# Altium PCB ATM1099C-0627-ssy-5.PcbDoc (part 2 of 4) (continued)
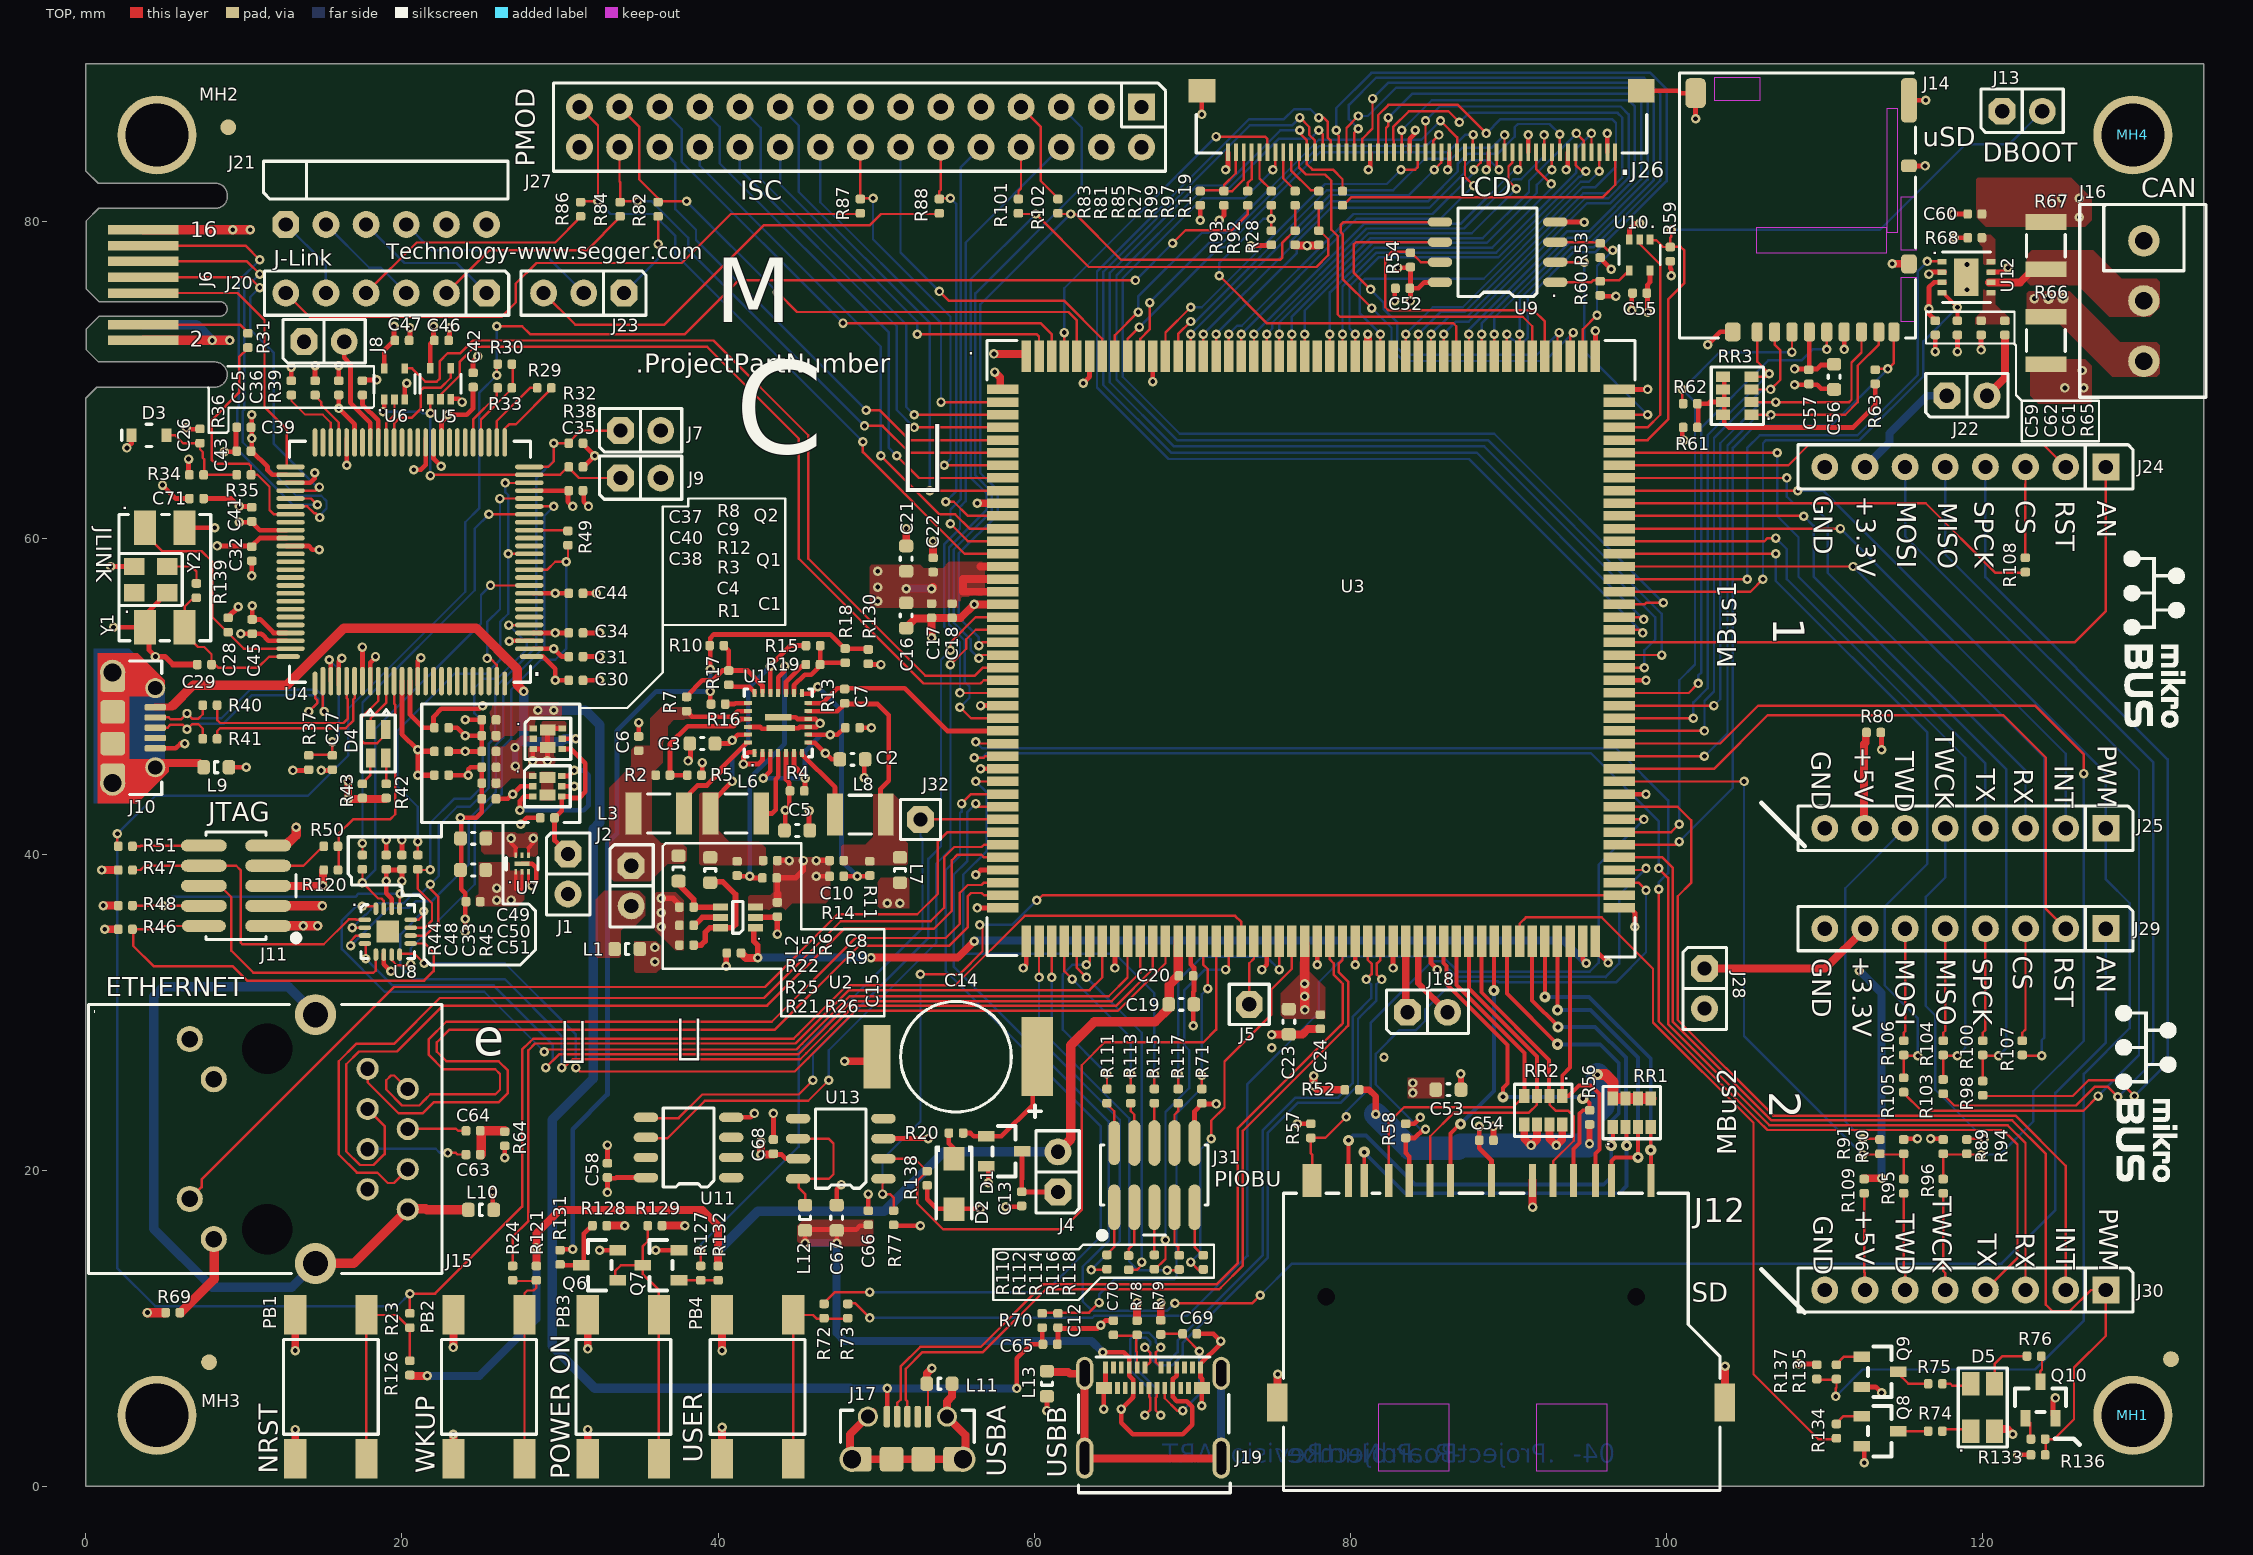
[diagram p0: TOP view]
## Nets (pads, with @x,y where several pads share a name; then routed paths per layer and width w, separated by ;. In a path a pad name is that pad's centre, name@x,y a point inside that pad or via, vN(x,y) a via of type N, cw(c..) or ccw(c..) an arc to the next point about the centre after c; other vN are vias at no path point) (continued)
  TOP w0.152: D5.3@120.75,6.375 D5.3@120.75,6.5 120.75,7.75 121.25,8.25 R76.2@122.75,8.25
NetD5_4: D5.4 R75.2 | length 1.8
  TOP w0.152: R75.2@117.5,6.5 117.953,6.5 118.078,6.375 D5.4@119.25,6.375
NetJ2_2: J2.2 L1.1
NetJ5_1: J5.1 U3.61 | length 4.1
  TOP w0.152: J5.1@73.6,30.5 73.6,33.097 73.9,33.397 U3.61@73.9,34.5
NetJ8_2: J8.2 U4.43 | length 6.8
  TOP w0.3: J8.2@16.345,72.425 16.345,71.404 16.74,71.009 16.74,68.56 18,67.3 U4.43@18,66.3
NetJ11_7: J11.7 R50.2 | length 4
  TOP w0.152: J11.7@11.532,39.27 13.77,39.27 R50.2@15,40.5
NetJ11_10: J11.10 R51.1 | length 4.5
  TOP w0.152: R51.1@3,40.5 3.453,40.5 3.493,40.54 J11.10@7.465,40.54
NetJ15_12: J15.12 R69.2 | length 5.6
  TOP w0.6: R69.2@6,11 8.12,13.12 J15.12@8.12,15.675
NetJ16_2: J16.2 R67.2 U12.6 | length 3.9
  TOP w0.5: U12.6@120.4,76.175 122.373,76.175 123.048,76.85 R67.2@124,76.85
NetJ16_3: J16.3 R66.1 U12.7 | length 1.3
  TOP w0.3: U12.7@120.4,76.825 121.325,76.825 v1(121.6,77.1)
  other v1: 123.275,75.15
  other v2: 124.15,75.15 125.075,75.175
NetJ22_1: J22.1 J24.7 | length 7.4
  BOTTOM w0.5: J24.7@112.55,64.5 114.1,66.05 114.1,66.622 116.478,69 J22.1@117.73,69
NetJ25_7: J25.7 R80.1 | length 6.1
  TOP w0.5: J25.7@112.55,41.64 112.5,41.69 112.5,46.973 112.6,47.073 R80.1@112.6,47.7
NetJ26_1: J26.1 R119.2 | length 19.9
  TOP w0.152: R119.2@79.5,81 79.525,81.025 80.071,81.571 95.971,81.571 96.75,82.35 J26.1@96.75,84.4
NetJ26_47: J26.47 R85.2 | length 2.5
  TOP w0.152: R85.2@73.5,82 73.5,82.453 73.75,82.703 J26.47@73.752,84.4
NetJ26_48: J26.48 J26.49 R81.2 R83.2 | length 7.5
  TOP w0.152: R83.2@70.5,82 R81.2@72,82 ; J26.49@72.75,84.4 72.75,83.075 72.011,82.336 72,82.336 R81.2@72,81.95 72.525,81.95 73.25,82.675 J26.48@73.25,84.4
NetJ28_1: J28.1 J29.7 | length 11.2
  TOP w0.5: J28.1@102.4,32.77 110.03,32.77 J29.7@112.55,35.29
NetJ30_7: J30.7 R109.1 | length 6.1
  TOP w0.152: R109.1@112.5,18.5 112.5,13.558 112.55,13.508 J30.7@112.55,12.43
NetJ31_1: J31.1 R110.2 | length 3.2
  TOP w0.152: R110.2@64.6,14.7 65.06,15.16 J31.1@65.06,17.665
NetJ31_2: J31.2 R111.1 | length 2.7
  TOP w0.152: R111.1@64.6,24.2 65.06,23.74 J31.2@65.06,21.735
NetJ31_3: J31.3 R112.2 | length 3.2
  TOP w0.152: R112.2@65.972,14.607 65.972,15.025 66.33,15.383 J31.3@66.33,17.665
NetJ31_4: J31.4 R113.1 | length 2.6
  TOP w0.152: R113.1@66.1,24.2 66.1,23.747 66.33,23.517 J31.4@66.33,21.735
NetJ31_5: J31.5 R114.2 | length 3
  TOP w0.152: R114.2@67.6,14.65 J31.5@67.6,17.665
NetJ31_6: J31.6 R115.1 | length 2.5
  TOP w0.152: J31.6@67.6,21.735 R115.1@67.6,24.2
NetJ31_7: J31.7 R116.2 | length 3.2
  TOP w0.152: J31.7@68.87,17.665 68.87,15.383 69.1,15.153 69.1,14.704 R116.2@69.172,14.632
NetJ31_8: J31.8 R117.1 | length 2.6
  TOP w0.152: J31.8@68.87,21.735 68.87,23.517 69.1,23.747 R117.1@69.1,24.2
NetJ31_9: J31.9 R118.2 | length 3.3
  TOP w0.152: J31.9@70.14,17.665 70.14,15.16 R118.2@70.682,14.618
NetL3_1: L3.1 U1.26 | length 6.7
  TOP w0.3: L3.1@37.775,42.5 37.775,43.425 38.7,44.35 39.289,44.35 40.2,45.261 40.2,45.425 41.825,47.05 U1.26@41.95,47.05
NetL6_1: L6.1 U1.4 | length 4.7
  TOP w0.3: L6.1@42.725,42.575 43.425,42.575 43.65,42.8 43.65,44.751 43.8,44.901 U1.4@43.8,46.41 U1.4@43.8,46.45
NetL8_1: L8.1 U1.7 | length 4.8
  TOP w0.3: U1.7@45.3,46.45 45.3,46.325 47.4,44.225 L8.1@47.4,42.5
NetL12_2: L12.2 U13.6 U13.8 | length 7.9
  TOP w0.152: L12.2@45.5,17.75 L12.2@45.5,17.8 45.5,18.5 45.093,18.907 45.093,19.468 47.015,19.468 47.3,19.752 47.3,21.701 46.994,22.008 U13.6@45.69,22.008
NetPB1_1: PB1.1 PB1.2 R23.2 R126.2 | length 14.2
  TOP w0.152: PB1.2@17.75,1.75 PB1.1@17.75,10.85 19.65,10.85 20.5,10 R126.2@20.5,8
NetPB2_1: PB2.1 PB2.2 R24.2 R121.2 | length 13.6
  TOP w0.152: R24.2@27,13 R121.2@28.5,13 ; PB2.2@27.75,1.45 PB2.1@27.75,10.85 27.75,12.225 27.925,12.4 28.325,12.4 28.5,12.575 R121.2@28.5,13 ; R121.2@28.5,13.05 R121.2@28.5,13
NetPB3_3: PB3.3 PB3.4 Q6.1 Q7.3 R129.2 | length 17.5
  TOP w0.152: Q6.1@33.5,13.05 33.5,13.653 33.847,14 Q7.3@35,14 ; R129.2@35.55,16.5 35.55,15.513 35.225,15.187 Q7.3@35.225,14 35.225,13.45 36.25,12.425 PB3.3@36.25,1.8
NetPB4_1: PB4.1 PB4.2 R72.2 R73.2 | length 12.7
  TOP w0.152: PB4.2@44.75,1.75 PB4.1@44.75,10.85 45.997,10.85 46.247,10.6 R73.2@48.2,10.6
NetQ1_2: Q1.2 Q1.5 Q2.3 Q2.6 Q2.7 Q2.8 R1.1 | length 7.9
  TOP w0.3: R1.1@26,43.5 26.7,43.5 v1(27,43.8) 27.5,44.3 Q1.2@28.275,44.3 ; v1(28.275,45.9) 28.275,46.65 29.2,46.65 v1(29.2,45.9) ; Q2.8@29.2,46.75 29.2,47.85 29.3,47.95 Q2.6@30.125,47.95 ; Q1.5@30.125,44.3 v1(30.898,44.3)
NetQ1_3: Q1.3 Q1.6 | length 9.8
  TOP w0.3: v1(27.461,42.788) 27.461,43.365 27.747,43.65 Q1.3@28.275,43.65 ; Q1.6@30.125,44.95 30.548,44.95 v1(30.898,45.3)
  BOTTOM w0.3: v1(27.461,42.788) 31.5,42.788 31.8,43.088 31.8,45 31.5,45.3 v1(30.898,45.3)
NetQ1_7: Q1.7 Q1.8
NetQ6_3: Q6.3 R128.1 R131.1 | length 4.2
  TOP w0.3: R131.1@30,14 Q6.3@31.35,14 31.5,14 31.5,16 R128.1@32,16.5
NetQ7_1: Q7.1 R127.2 R132.2 | length 2.9
  TOP w0.152: Q7.1@37.15,13.05 38.5,13.05 R132.2@40,13.05 ; R132.2@39.975,13.025 R132.2@40,13
NetQ8_1: Q8.1 R134.2 | length 1.9
  TOP w0.152: R134.2@110.75,4 111.2,4.45 Q8.1@112.35,4.45 Q8.1@112.5,4.45
NetQ8_3: Q8.3 R74.1 | length 2
  TOP w0.152: Q8.3@114.5,3.5 Q8.3@114.65,3.5 R74.1@116.5,3.5
NetQ9_1: Q9.1 R135.2 | length 1.9
  TOP w0.152: R135.2@110.75,7.75 111.2,8.2 Q9.1@112.35,8.2 Q9.1@112.5,8.2
NetQ9_3: Q9.3 R75.1 | length 2.3
  TOP w0.152: Q9.3@114.5,7.25 114.55,7.25 115.3,6.5 R75.1@116.5,6.5
NetQ10_1: Q10.1 R136.2 | length 1.7
  TOP w0.152: Q10.1@122.55,4.5 123,4.05 R136.2@123,3
NetQ10_3: Q10.3 R76.1 | length 1.9
  TOP w0.152: Q10.3@123.5,6.5 123.575,6.5 123.65,6.575 123.65,7.303 123.75,7.403 R76.1@123.75,8.25
NetR2_2: R2.2 R5.1 U1.23 | length 9.8
  TOP w0.3: R5.1@38,45 R2.2@36.95,45 ; R5.1@38.05,45 R2.2@36.95,45 ; U1.23@41.95,48.55 41.423,48.55 40.973,48.1 38.072,48.1 36.95,46.978 R2.2@36.95,45
NetR6_2: R6.2 R9.1 U1.17 | length 17.7
  TOP w0.3: R6.2@41.2,38.6 v1(42,38.6) 42.1,38.5 R9.1@42.75,38.5 ; U1.17@43.8,50.15 U1.17@43.8,50.21 43.8,51.2 44.2,51.6 v1(44.2,51.9)
  BOTTOM w0.3: v1(42,38.6) 42,44.8 44.2,47 v1(44.2,51.9)
NetR7_2: R7.2 R10.2 R17.1 U1.19 | length 8.1
  TOP w0.126: U1.19@42.775,50.235 U1.19@42.8,50.21 ; 42.775,50.699 42.8,50.674
  TOP w0.3: R7.2@38,50 39,51 39.649,51 40.264,51.615 R17.1@40.673,51.615 ; R10.2@40.361,53.197 40.673,52.885 R17.1@40.673,51.615 ; 42.775,50.699 41.859,51.615 R17.1@40.673,51.615 ; U1.19@42.8,50.21 42.8,50.674
NetR10_1: R10.1 R16.1 R18.2 R130.1 R131.2 | length 56.3
  TOP w0.3: R131.2@30,15 v1(30.8,15) ; R16.1@39.5,49.5 v1(39.5,50.3) ; v1(39.5,51.7) 39.5,53.675 39.725,53.9 47.1,53.9 48,53 R130.1@49.5,53
  BOTTOM w0.3: v1(30.8,15) 30.8,22.6 33,24.8 33,40.7 33.6,41.3 33.6,47.8 36.1,50.3 v1(39.5,50.3) v1(39.5,51.7)
NetR11_2: R11.2 R14.1 U1.14 | length 15.8
  TOP w0.3: U1.14@45.3,50.15 45.85,50.15 v1(46.3,50.6) ; R14.1@48,38.6 v1(48.8,38.6) R11.2@49.6,38.6
  BOTTOM w0.3: v1(46.3,50.6) 47.8,49.1 47.8,39.6 v1(48.8,38.6)
NetR15_1: R15.1 R18.1 R19.1 U1.15 | length 5.6
  TOP w0.3: U1.15@44.8,50.15 44.8,50.677 45.473,51.35 45.89,51.35 46.45,51.911 R19.1@46.45,52 R19.1@46.457,52.007 ; R15.1@46.457,53.197 R19.1@46.457,52.007 ; R18.1@48.039,52.112 46.562,52.112 R19.1@46.457,52.007
NetR16_2: R16.2 U1.21 | length 1.5
  TOP w0.3: R16.2@40.5,49.5 41.027,49.5 41.077,49.55 U1.21@41.95,49.55
NetR17_2: R17.2 U1.20 | length 1.9
  TOP w0.3: R17.2@40.673,50.715 40.835,50.715 40.954,50.596 41.979,50.596 42.3,50.275 U1.20@42.3,50.15
NetR19_2: R19.2 U1.16 | length 2.4
  TOP w0.3: U1.16@44.3,50.15 44.3,50.9 45.4,52 R19.2@45.5,52
NetR25_1: R25.1 U2.5 | length 2
  TOP w0.35: R25.1@38.5,35.5 39,36 U2.5@40.25,36
NetR30_1: R30.1 R33.2 U4.29 | length 5.5
  TOP w0.152: U4.29@25,66.3 25,67.5 26.975,69.475 27,69.5 R30.1@27,71
NetR31_2: R31.2 R35.2 U4.57 | length 15.3
  TOP w0.152: R31.2@10.25,72 9.7,71.45 9.7,69.2 7.979,67.479 7.979,65.655 7.971,65.648 7.971,64.929 8.2,64.7 10.3,64.7 10.45,64.55 R35.2@10.45,64 10.863,64 11.618,63.245 11.618,61.782 11.9,61.5 U4.57@12.7,61.5
NetR36_2: R36.2 U4.48 | length 4.4
  TOP w0.126: R36.2@13,69.05 13,68.678 13.876,67.802 14.998,67.802 15.5,67.3
  TOP w0.152: U4.48@15.5,66.3 15.5,67.3
NetR39_2: R39.2 U4.42 | length 3.1
  TOP w0.3: R39.2@17.5,69 17.5,68.448 18.5,67.448 U4.42@18.5,66.3
NetR52_2: R52.2 R56.1 RR1.5 RR1.6 RR1.7 RR1.8 RR2.5 RR2.6 RR2.7 RR2.8 | length 33.5
  TOP w0.4: R52.2@80.55,25.1 81.175,25.1 81.6,24.675 v1(81.6,23.555) ; v1(95.125,21.675) 95.125,22.896 R56.1@95.131,22.902
  TOP w0.5: RR2.5@91,22.9 91,22 v1(91.425,21.575) 91.8,21.95 RR2.6@91.8,22.9 ; RR2.7@92.6,22.9 92.6,22 v1(93.025,21.575) 93.4,21.95 RR2.8@93.4,22.9
  TOP w0.7: v2(95.625,26.05) 96.125,26.05 96.6,25.575 RR1.8@96.6,24.55 RR1.7@97.4,24.55 RR1.6@98.2,24.55 RR1.5@99,24.55
  BOTTOM w1.5: v1(81.6,23.555) 83.755,21.4 86.8,21.4 86.975,21.575 v1(91.425,21.575) v1(93.025,21.575) 95.025,21.575 v1(95.125,21.675) 95.125,23.207 95.95,24.032 95.95,25.721 95.625,26.046 v2(95.625,26.05)
NetR61_1: R61.1 R62.1 R63.1 RR3.5 RR3.6 RR3.7 RR3.8 | length 17.7
  TOP w0.3: R62.1@101.95,68.5 102.65,68.5 102.75,68.6 RR3.7@103.575,68.6 ; R61.1@102,67 R62.1@102,68.5 ; RR3.8@103.575,67.8 RR3.8@103.65,67.8 ; RR3.5@103.65,70.2 RR3.8@103.65,67.8 ; R63.1@113.2,69.7 113.2,68.4 111.795,66.995 103.93,66.995 103.65,67.275 RR3.8@103.65,67.8
NetR68_1: R68.1 U12.8
NetR139_1: R139.1 Y2.3 | length 2.7
  TOP w0.152: Y2.3@5.15,58.2 6.675,58.2 7,57.875 7,57.135 R139.1@6.992,57.127
NPCS0: J29.3 R107.2 | length 7.1
  TOP w0.152: R107.2@122.5,28.25 122.5,28.703 122.71,28.913 J29.3@122.71,35.29
NPCS1: J24.3 R108.2 | length 5.7
  TOP w0.152: R108.2@122.7,58.8 122.7,63.412 122.71,63.422 J24.3@122.71,64.5
NRST: R23.1 R30.2 R51.2 R85.1 U3.60 | length 218.8
  TOP w0.152: R51.2@2,40.5 v1(2,41.3) ; R23.1@20.5,11 v1(20.5,12.2) 22.1,12.2 27.603,17.703 27.603,27.634 28.069,28.1 28.072,28.1 28.301,28.329 44.777,28.329 45.069,28.621 45.069,28.624 48.149,31.705 55.005,31.705 59.4,36.1 72.703,36.1 73.1,35.703 U3.60@73.1,34.5 ; v1(26,70.3) R30.2@26,71 ; v1(26,73.4) 27.6,73.4 28.1,72.9 37.9,72.9 41.3,76.3 v1(66.4,76.3) ; v1(68.75,78.65) 69.575,79.475 72.5,79.475 73.5,80.475 R85.1@73.5,81.05
  BOTTOM w0.152: v1(20.5,12.2) 19.7,11.4 4.4,11.4 2,13.8 v1(2,41.3) 4.4,43.7 14.048,43.7 16.6,46.252 16.6,49.2 24,56.6 24,61 24.9,61.9 24.9,69.2 v1(26,70.3) v1(26,73.4) ; v1(66.4,76.3) v1(68.75,78.65)
NRST_3U: J6.4 R31.1 | length 6.8
  TOP w0.152: J6.4@3.625,73.5 9.75,73.5 R31.1@10.25,73
PA0: J12.5 U3.80 | length 16.5
  TOP w0.152: v2@86.95,22.95 v2(86.975,22.925) ; U3.80@89.1,33.551 89.324,33.775 89.324,34.276 U3.80@89.1,34.5
  TOP w0.25: J12.5@86.325,19.35 86.325,22.325 v2@86.95,22.95 ; v2(89.075,31.375) 89.075,33.526 U3.80@89.1,33.551
  BOTTOM w0.25: v2(86.975,22.925) 89.075,25.025 v2(89.075,31.375)
PA1: J12.2 R56.2 U3.76 | length 22.9
  TOP w0.25: U3.76@85.9,34.5 85.9,33.113 86.075,32.938 86.075,31.794 89.95,27.919 89.95,25.5 89.65,25.2 v2(89.65,24.65) ; J12.2@94.125,19.35 94.125,21.35 94.506,21.731 94.506,23.588 94.72,23.802 R56.2@95.131,23.802 95.131,24.25 94.831,24.55 v2(94.7,24.55)
  BOTTOM w0.25: v2(89.65,24.65) 94.6,24.65 v2(94.7,24.55)
PA2: J12.7 RR1.2 U3.83 | length 40.2
  TOP w0.25: J12.7@80.875,19.35 v2(80.875,21.15) ; U3.83@91.5,34.5 91.5,30.75 93.125,29.125 v2(93.125,29.075) ; RR1.2@97.4,22.75 97.475,22.675 v2(97.475,21.575)
  BOTTOM w0.25: v2(80.875,21.15) 80.875,21.125 83.45,18.55 97.025,18.55 97.475,19 v2(97.475,21.575) 97.425,21.625 97.425,27.125 95.475,29.075 v2(93.125,29.075)
PA3: J12.8 RR1.1 U3.81 | length 41.8
  TOP w0.25: J12.8@79.875,19.35 v2(79.875,21.9) ; U3.81@89.9,34.5 89.9,31.175 v2(93.1,27.975) ; v2(96.5,21.575) 96.6,21.475 RR1.1@96.6,22.75
  BOTTOM w0.25: v2(79.875,21.9) 80.175,22.2 81,22.2 84.1,19.1 96.025,19.1 96.5,19.575 v2(96.5,21.575) 96.5,23.133 96.975,23.608 96.975,26.8 95.8,27.975 v2(93.1,27.975)
PA4: J12.9 RR1.4 U3.84 | length 21
  TOP w0.25: v2(92.3,30.975) 92.3,31.075 U3.84@92.3,34.5 ; RR1.4@99,22.75 v2(99,21.275) 99.005,21.27 J12.9@99.005,19.35
  BOTTOM w0.25: v2(92.3,30.975) 95.1,30.975 99,27.075 v2(99,21.275)
PA5: J12.1 RR1.3 U3.85 | length 22
  TOP w0.25: v2(93.1,30.15) U3.85@93.1,34.5 ; J12.1@96.505,19.35 96.505,20.58 96.75,20.825 v2(98.2,20.825) RR1.3@98.2,22.75
  BOTTOM w0.25: v2(93.1,30.15) 95.2,30.15 98.2,27.15 v2(98.2,20.825)
PA6: J12.10 RR2.1 U3.86 | length 18.5
  TOP w0.25: U3.86@93.9,34.5 93.9,26.5 93.4,26 RR2.1@93.4,24.7 93.8,24.7 94.475,25.375 95.2,25.375 95.756,24.819 95.756,21.331 95.5,21.075 95.5,19.355 J12.10@95.505,19.35
PA7: J12.11 RR2.2 U3.79 | length 18.6
  TOP w0.152: RR2.2@92.6,24.7 92.6,24.15 92.975,23.775 93.775,23.775 94.125,23.425 94.125,21.875 92.825,20.575 J12.11@92.825,19.35
  TOP w0.25: U3.79@88.3,34.5 88.3,31.266 92.575,26.991 92.575,24.725 RR2.2@92.6,24.7
PA8: J12.12 RR2.3 U3.78 | length 22.5
  TOP w0.152: J12.12@85.025,19.35 85.05,19.375 85.05,22.156 86.544,23.65 91.3,23.65 91.8,24.15 RR2.3@91.8,24.7
  TOP w0.25: U3.78@87.5,34.5 87.5,31.5 91.8,27.2 RR2.3@91.8,24.7
PA9: J12.13 RR2.4 U3.77 | length 24.5
  TOP w0.152: J12.13@82.425,19.35 82.425,23.025 83.402,24.002 90.302,24.002 RR2.4@91,24.7
  TOP w0.25: U3.77@86.7,34.5 86.7,31.735 91,27.435 RR2.4@91,24.7
PA10: R134.1 U3.82 | length 46.3
  TOP w0.152: U3.82@90.7,34.5 90.7,35.6 91.1,36 95.9,36 99.144,32.756 99.144,29.363 105.5,23.007 105.5,7.1 109.6,3 R134.1@110.75,3
PA11: R26.2 U2.1 U3.87 | length 58.2
  TOP w0.3: U3.87@94.7,34.5 94.7,33.323 v1(94.923,33.1)
  TOP w0.35: U2.1@42.25,35.35 42.25,34.5 42.5,34.25 v1(42.5,33.453)
  TOP w0.5: R26.2@41.45,33.75 41.771,33.429 42.476,33.429 v1(42.5,33.453) ; v1(49.672,33.453) 55.153,33.453 v1(56.2,34.5)
  BOTTOM w0.5: v1(42.5,33.453) v1(49.672,33.453) ; v1(56.2,34.5) 56.25,34.55 93.473,34.55 v1(94.923,33.1)
PA12: J12.14 R57.2 U3.92 | length 38.7
  TOP w0.152: J12.14@77.575,19.35 77.575,21 77.5,21.075 R57.2@77.5,22.05 78.411,22.05 v1(79.738,23.377) ; U3.92@97,39 98.6,39 v1(98.7,39.1)
  BOTTOM w0.152: v1(79.738,23.377) 79.738,23.73 81.295,25.286 81.295,29.355 85.166,33.226 85.718,33.226 86.691,32.254 96.119,32.254 96.148,32.225 97,33.077 97,37.4 v1(98.7,39.1)
PA13: J12.6 R58.2 U3.91 | length 37.5
  TOP w0.152: U3.91@97.841,38.25 97.05,38.25 U3.91@97,38.2 98.225,38.2 v1(98.7,37.725)
  TOP w0.3: J12.6@83.725,19.35 83.725,20.875 83.5,21.1 R58.2@83.5,22.05 84.075,22.05 84.625,22.6 v1(84.75,22.6)
  BOTTOM w0.152: v1(84.75,22.6) 84.431,22.6 81.599,25.432 81.599,27.368 83.105,28.874 84.144,28.874 84.731,29.461 84.731,30.179 86.504,31.951 89.314,31.951 89.374,31.891 96.791,31.891 98.7,33.8 v1(98.7,37.725)
PA14: J26.37 U3.111 | length 71.1
  TOP w0.152: v1(78,86.6) 78.3,86.6 78.555,86.345 78.555,85.348 78.75,85.153 J26.37@78.75,84.4 ; U3.111@97,54.2 98.3,54.2 v1(98.5,54)
  BOTTOM w0.152: v1(78,86.6) 77.471,87.129 76.429,87.129 75.8,86.5 73.6,86.5 63.971,76.871 63.971,69.525 68.497,65 87.5,65 v1(98.5,54)
PA15: J26.38 U3.109 | length 70.6
  TOP w0.152: v1(77.999,85.799) 78.25,85.548 J26.38@78.25,84.4 ; U3.109@97,52.6 v1(99.7,52.6)
  BOTTOM w0.152: v1(77.999,85.799) 77.471,85.271 75.471,85.271 72.2,82 70.6,82 65.2,76.6 65.2,70.034 69.034,66.2 88.7,66.2 99.7,55.2 v1(99.7,52.6)
PA16: J26.39 U3.112 | length 68.2
  TOP w0.152: v1(76.8,86.6) 77.4,86 77.4,85.503 77.75,85.153 J26.39@77.75,84.4 ; U3.112@97,55 98.4,55 v1(98.55,54.85)
  BOTTOM w0.152: v1(76.8,86.6) 76.305,86.105 73.636,86.105 64.367,76.836 64.367,69.689 68.65,65.406 87.994,65.406 v1(98.55,54.85)
PA17: J26.40 R119.1 U3.108 | length 74.1
  TOP w0.152: v1(76.8,85.8) 76.8,85.6 77.25,85.15 77.25,83.647 77.592,83.305 78.895,83.305 79.5,82.7 R119.1@79.5,82 ; U3.108@97,51.8 v1(98.6,51.8)
  BOTTOM w0.152: v1(76.8,85.8) 75.569,85.8 72.074,82.305 70.305,82.305 64.776,76.776 64.776,69.859 68.834,65.8 88.471,65.8 99.284,54.984 99.284,53.584 98.6,52.9 v1(98.6,51.8)
PA18: J14.P7 RR3.2 U3.105 | length 38.3
  TOP w0.152: U3.105@97,49.4 v1(103,49.4) ; RR3.2@105.35,68.6 v1(106.9,68.6) 111.548,68.6 111.7,68.752 111.7,71.1 112.334,71.734 J14.P7@112.334,73.044
  BOTTOM w0.152: v1(103,49.4) 103.4,49.8 103.4,66 106,68.6 v1(106.9,68.6)
PA19: J14.P8 RR3.1 U3.101 | length 41.3
  TOP w0.152: U3.101@97,46.2 v1(102.4,46.2) ; RR3.1@105.35,67.8 RR3.1@105.375,67.8 v1(106.6,67.8) 111.3,67.8 112.1,68.6 112.1,70.906 113.434,72.24 J14.P8@113.434,73.044
  BOTTOM w0.152: v1(102.4,46.2) 103.856,47.656 103.856,65.856 105.8,67.8 v1(106.6,67.8)
PA20: J14.P1 RR3.4 U3.104 | length 32.7
  TOP w0.152: U3.104@97,48.6 v1(101.7,48.6) ; RR3.4@105.35,70.2 106.3,70.2 v1(106.5,70.4) 105.734,71.166 J14.P1@105.734,73.044
  BOTTOM w0.152: v1(101.7,48.6) 101.7,49.6 102.6,50.5 102.6,66.5 v1(106.5,70.4)
PA21: J14.P2 RR3.3 U3.103 | length 34.3
  TOP w0.152: U3.103@97,47.8 v1(102.4,47.8) ; RR3.3@105.35,69.4 RR3.3@105.375,69.4 v1(106.582,69.4) 107.2,70.018 107.2,71.874 106.834,72.24 J14.P2@106.834,73.044
  BOTTOM w0.152: v1(102.4,47.8) 102.4,49.7 103,50.3 103,66.322 106.078,69.4 v1(106.582,69.4)
PA22: J14.P5 U3.106 | length 32.6
  TOP w0.152: U3.106@97,50.2 101.4,50.2 v1(102,50.8) ; v1(110.134,71.934) J14.P5@110.134,73.044
  BOTTOM w0.152: v1(102,50.8) 102,51.303 102.2,51.503 102.2,67 106.437,71.237 108.537,71.237 109.234,71.934 v1(110.134,71.934)
PA23: R89.2 R94.1 R96.1 U3.102 | length 64.3
  TOP w0.152: U3.102@97,47 103.4,47 105.8,49.4 123.3,49.4 126.4,46.3 v1(126.4,45.1) ; R96.1@117.5,19.5 117.5,21 v1(119.9,21)
  BOTTOM w0.152: v1(119.9,21) 121.1,21 123.2,23.1 123.2,25 126.4,28.2 v1(126.4,45.1)
PA24: R90.2 R91.1 R95.1 U3.99 | length 38.7
  TOP w0.152: U3.99@97,44.6 v1(104.9,44.6) ; v1(112.4,21) 115,21 R95.1@115,19.5
  BOTTOM w0.152: v1(104.9,44.6) 104.9,28.5 v1(112.4,21)
PA25: J30.2 U3.97 | length 54.1
  TOP w0.152: U3.97@97,43 100.7,43 101.55,42.15 101.55,38.183 100.71,37.343 100.71,29.515 106.76,23.464 122.066,23.464 125.25,20.28 J30.2@125.25,12.43
PA26: J29.2 U3.100 | length 40.9
  TOP w0.152: U3.100@97,45.4 103,45.4 106.4,48.8 121.3,48.8 124,46.1 124,36.54 J29.2@125.25,35.29
PA27: R77.1 U3.90 U13.1 | length 65
  TOP w0.152: U13.1@50.46,19.466 50.46,19.237 50.4,19.177 v1(50.4,18.5) 50.875,18.5 51.1,18.275 R77.1@51.1,17.5 ; v1(52.8,32.4) 55.269,32.4 56.726,33.857 56.726,35.349 v1(56.55,35.525) ; v1(60.15,37.075) 60.15,37.025 60.525,37.4 U3.90@97,37.4
  BOTTOM w0.152: v1(50.4,18.5) 50.4,20.7 52.8,23.1 v1(52.8,32.4) ; v1(56.55,35.525) 58.6,35.525 v1(60.15,37.075)
PA28: J14.P3 R62.2 U3.95 | length 42.3
  TOP w0.152: U3.95@97,41.4 100.3,41.4 v1(100.8,41.9) ; R62.2@101,68.5 v1(101,69.4) ; v1(107.934,71.766) J14.P3@107.934,73.044
  BOTTOM w0.152: v1(100.8,41.9) 100.8,51 101.8,52 101.8,68.6 v1(101,69.4) 103.366,71.766 v1(107.934,71.766)
PA29: R73.1 U3.96 | length 77.4
  TOP w0.152: R73.1@48.2,11.6 48.662,11.6 v1(49.6,10.662) ; U3.96@97,42.2 v1(98.571,42.2)
  BOTTOM w0.152: v1(49.6,10.662) 63.662,10.662 63.8,10.8 69.692,10.8 73.5,14.608 73.472,14.636 73.472,25.442 73.5,25.47 78,29.97 78,31.9 79.629,33.529 80.519,33.529 ; 80.472,33.576 80.519,33.529 ; v1(98.571,42.2) 95.7,39.329 95.7,33.133 95.141,32.574 86.798,32.574 85.843,33.529 80.519,33.529
PA30: J14.G4 R63.2 U3.94 | length 45.4
  TOP w0.152: U3.94@97,40.6 100.6,40.6 v1(100.8,40.8) ; R63.2@113.2,70.7 v1(114,70.7) 114.384,71.084 J14.G4@114.384,73.044
  BOTTOM w0.152: v1(100.8,40.8) 104.2,44.2 104.2,65.7 105.6,67.1 110.4,67.1 v1(114,70.7)
PA31: J30.1 R133.1 R136.1 U3.93 | length 66.8
  TOP w0.152: U3.93@97,39.8 99.734,39.8 100.405,39.13 100.405,29.389 106.634,23.16 121.871,23.16 124,21.03 124,11.5 124.412,11.087 125.5,11.087 126.843,12.43 J30.1@127.79,12.43 127.79,9.538 125.775,7.523 125.775,4.25 124.525,3 124,3 R133.1@124,2
PB0: J25.2 U3.119 | length 38.9
  TOP w0.152: U3.119@97,60.6 v1(111,60.6)
  BOTTOM w0.152: v1(111,60.6) 125.25,46.35 J25.2@125.25,41.64
PB1: J25.1 R135.1 R137.1 U3.122 | length 94.6
  TOP w0.152: U3.122@97,63 v1(108.3,63) ; R137.1@109.5,6.75 110.75,6.75 110.75,6.253 110.7,6.203 v1(110.7,5.7)
  BOTTOM w0.152: v1(108.3,63) 109.9,63 127.79,45.11 J25.1@127.79,41.64 127.79,38.41 129.3,36.9 129.3,29 126.4,26.1 126.4,10.5 123.3,7.4 112.4,7.4 v1(110.7,5.7)
PB2: J24.2 U3.124 | length 29.4
  TOP w0.152: U3.124@97,64.6 107.7,64.6 109,65.9 123.85,65.9 J24.2@125.25,64.5
PB3: J25.3 U3.123 | length 39.6
  TOP w0.152: U3.123@97,63.8 v1(107.6,63.8)
  BOTTOM w0.152: v1(107.6,63.8) 107.6,62.624 108.024,62.2 109.1,62.2 110.2,61.1 110.2,57.8 122.71,45.29 J25.3@122.71,41.64
PB4: J25.4 U3.125 | length 39.2
  TOP w0.152: U3.125@97,65.4 v1(107,65.4)
  BOTTOM w0.152: v1(107,65.4) 107,61.4 108.35,60.05 108.35,57.55 120.17,45.73 J25.4@120.17,41.64
PB5: U3.134 U9.6 | length 25.9
  TOP w0.152: v1(81.274,75.726) 80.2,76.8 80.2,78.562 80.352,78.714 U9.6@85.79,78.714 ; U3.134@93.1,71.5 93.1,72.9 v1(93.2,73)
  BOTTOM w0.152: v1(81.274,75.726) 82.1,74.9 82.1,74.5 82.971,73.629 82.971,72.029 83.4,71.6 91.8,71.6 v1(93.2,73)
PB6: U3.127 U10.2 | length 14.5
  TOP w0.152: U3.127@97,67 98.8,67 99.6,67.8 99.6,77.302 98.3,78.602 U10.2@98.3,78.85
PB7: U3.133 U9.5 | length 29.8
  TOP w0.152: v1(81.35,74.55) 79.505,76.395 79.505,79.226 79.4,79.331 79.4,79.832 79.552,79.984 U9.5@85.79,79.984 ; U3.133@93.9,71.5 93.9,72.8 v1(94.1,73)
  BOTTOM w0.152: v1(81.35,74.55) 82.6,73.3 82.6,71.969 83.369,71.2 92.3,71.2 v1(94.1,73)
PB8: U3.128 U9.2 | length 15.6
  TOP w0.152: U9.2@92.29,77.444 93.19,77.444 v1(94.8,77.444) ; U3.128@97,67.8 v1(98.8,67.8)
  BOTTOM w0.152: v1(94.8,77.444) 94.8,71.8 v1(98.8,67.8)
PB9: R53.2 U3.132 U9.3 | length 12
  TOP w0.152: U9.3@92.29,78.714 93.19,78.714 95.333,78.714 95.347,78.7 95.8,78.7 95.825,78.675 96.3,78.2 v1(96.6,78.2) ; U3.132@94.7,71.5 94.7,73.2 v1(95.6,74.1)
  BOTTOM w0.152: v1(95.6,74.1) 95.6,77.2 v1(96.6,78.2)
PB10: R54.2 U3.135 U9.7 | length 19.8
  TOP w0.152: U9.7@85.79,77.444 85.664,77.444 84.456,77.444 83.8,78.1 82.6,78.1 82.2,77.7 82.2,74.6 82.4,74.4 91.6,74.4 92.3,73.7 U3.135@92.3,71.5
PB11: J26.3 U3.148 | length 24.4
  TOP w0.152: U3.148@81.9,71.5 v1(81.9,72.9) ; v1(95.75,83.2) J26.3@95.75,84.4
  BOTTOM w0.152: v1(81.9,72.9) 80.6,74.2 80.6,76.1 80.9,76.4 88.431,76.4 94.57,82.539 95.089,82.539 v1(95.75,83.2)
PB12: J26.4 U3.151 | length 26.3
  TOP w0.152: U3.151@79.5,71.5 v1(79.5,72.9) ; J26.4@95.25,84.4 v1(95.25,85.6)
  BOTTOM w0.152: v1(79.5,72.9) 79.5,75.913 81.648,78.062 89.23,78.062 94.3,83.131 94.3,84.65 v1(95.25,85.6)
PB13: J26.5 U3.155 | length 27.1
  TOP w0.152: U3.155@76.3,71.5 v1(76.3,72.9) ; v1(94.3,85.6) 94.75,85.15 J26.5@94.75,84.4
  BOTTOM w0.152: v1(76.3,72.9) 76.3,74.007 81.269,78.976 88.376,78.976 91.3,81.9 91.3,82.6 v1(94.3,85.6)
PB14: J26.6 U3.150 | length 24.2
  TOP w0.152: U3.150@80.3,71.5 v1(80.3,72.9) ; J26.6@94.252,84.4 94.25,83.6 94.65,83.2 v1(94.9,83.2)
  BOTTOM w0.152: v1(80.3,72.9) 79.944,73.256 79.944,75.926 81.774,77.757 89.357,77.757 94.444,82.844 94.544,82.844 v1(94.9,83.2)
PB15: J26.8 U3.162 | length 31.7
  TOP w0.152: U3.162@70.7,71.5 v1(70.7,72.9) ; J26.8@93.25,84.4 v1(93.25,85.548)
  BOTTOM w0.152: v1(70.7,72.9) 76.2,78.4 76.2,78.769 78.731,81.3 84.9,81.3 86.8,83.2 86.8,83.7 87.4,84.3 89.3,84.3 90.4,85.4 90.4,86 90.595,86.195 92.603,86.195 v1(93.25,85.548)
PB16: J26.9 U3.154 | length 23.6
  TOP w0.152: U3.154@77.1,71.5 v1(77.1,72.9) ; v1(92.75,83.3) J26.9@92.75,84.4
  BOTTOM w0.152: v1(77.1,72.9) 77.1,74.376 81.396,78.671 88.624,78.671 91.8,81.847 91.8,82.35 v1(92.75,83.3)
PB17: J26.10 U3.157 | length 26.3
  TOP w0.152: U3.157@74.7,71.5 v1(74.7,72.9) ; J26.10@92.25,84.4 v1(92.25,85.5)
  BOTTOM w0.152: v1(74.7,72.9) 75.056,73.256 75.056,73.625 81.017,79.586 87.186,79.586 90.3,82.7 90.8,82.7 92.25,84.15 v1(92.25,85.5)
PB18: J26.11 U3.152 | length 23.5
  TOP w0.152: U3.152@78.7,71.5 v1(78.7,72.9) ; J26.11@91.75,84.4 91.75,83.35 v1(92.7,82.4)
  BOTTOM w0.152: v1(78.7,72.9) 78.7,75.544 81.522,78.366 88.966,78.366 92.7,82.1 v1(92.7,82.4)
PB19: J26.13 U3.158 | length 23.6
  TOP w0.152: U3.158@73.9,71.5 v1(73.9,72.9) ; v1(90.6,83.3) 90.75,83.45 J26.13@90.752,84.4
  BOTTOM w0.152: v1(73.9,72.9) 80.89,79.89 86.99,79.89 90.4,83.3 v1(90.6,83.3)
PB20: J26.14 U3.156 | length 23.3
  TOP w0.152: U3.156@75.5,71.5 v1(75.5,72.9) ; J26.14@90.252,84.4 90.25,83.75 90,83.5 90,82.6 v1(90.5,82.1)
  BOTTOM w0.152: v1(75.5,72.9) 75.5,73.638 81.143,79.281 87.681,79.281 v1(90.5,82.1)
PB21: J26.15 U3.164 | length 28.4
  TOP w0.152: U3.164@69.1,71.5 69.1,72.9 v1(69.9,73.7) ; J26.15@89.75,84.4 v1(89.75,85.5)
  BOTTOM w0.152: v1(69.9,73.7) 70.2,73.7 78.5,82 78.569,82 78.574,82.005 82.705,82.005 84.7,84 86.4,84 87.1,84.7 88.95,84.7 v1(89.75,85.5)
PB22: J26.16 U3.161 | length 25.9
  TOP w0.152: U3.161@71.5,71.5 v1(71.5,72.9) ; J26.16@89.25,84.4 89.25,83.45 v1(89.4,83.3)
  BOTTOM w0.152: v1(71.5,72.9) 76.6,78 76.6,78.738 78.762,80.9 85,80.9 87.2,83.1 87.2,83.5 87.6,83.9 88.8,83.9 v1(89.4,83.3)
PB23: J26.18 U3.160 | length 22.6
  TOP w0.152: U3.160@72.3,71.5 v1(72.3,72.9) ; v1(87.8,83.3) 88.25,83.75 J26.18@88.25,84.4
  BOTTOM w0.152: v1(72.3,72.9) 72.829,73.429 73.129,73.429 80.2,80.5 85.2,80.5 87.8,83.1 v1(87.8,83.3)
PB24: J26.19 U3.168 | length 29.5
  TOP w0.152: U3.168@65.9,71.5 65.9,72.603 66.247,72.95 66.25,72.95 v1(66.65,73.35) ; J26.19@87.75,84.4 87.75,85.5 v1(87.775,85.525)
  BOTTOM w0.152: v1(66.65,73.35) 71.69,78.39 72.053,78.39 78.062,84.4 86.147,84.4 87.272,85.525 v1(87.775,85.525)
PB25: J26.20 U3.159 | length 22.3
  TOP w0.152: U3.159@73.1,71.5 v1(73.1,72.9) ; J26.20@87.252,84.4 87.25,82.85 v1(87.8,82.3)
  BOTTOM w0.152: v1(73.1,72.9) 80.395,80.195 85.695,80.195 v1(87.8,82.3)
PB26: J26.21 U3.169 | length 30.6
  TOP w0.152: U3.169@65.1,71.5 65.1,72.829 v1(66.571,74.3) ; v1(85.699,86.399) 86.75,85.348 J26.21@86.75,84.4
  BOTTOM w0.152: v1(66.571,74.3) 66.571,75.271 70.6,79.3 72.1,79.3 78,85.2 84.5,85.2 v1(85.699,86.399)
PB27: J26.23 U3.163 | length 22.4
  TOP w0.152: U3.163@69.9,71.5 v1(69.9,72.9) ; v1(85.3,83.3) 85.75,83.75 J26.23@85.75,84.4
  BOTTOM w0.152: v1(69.9,72.9) 78.7,81.7 83.7,81.7 v1(85.3,83.3)